# Allegro board 2522-db-vfbga86_vD.brd (continued)
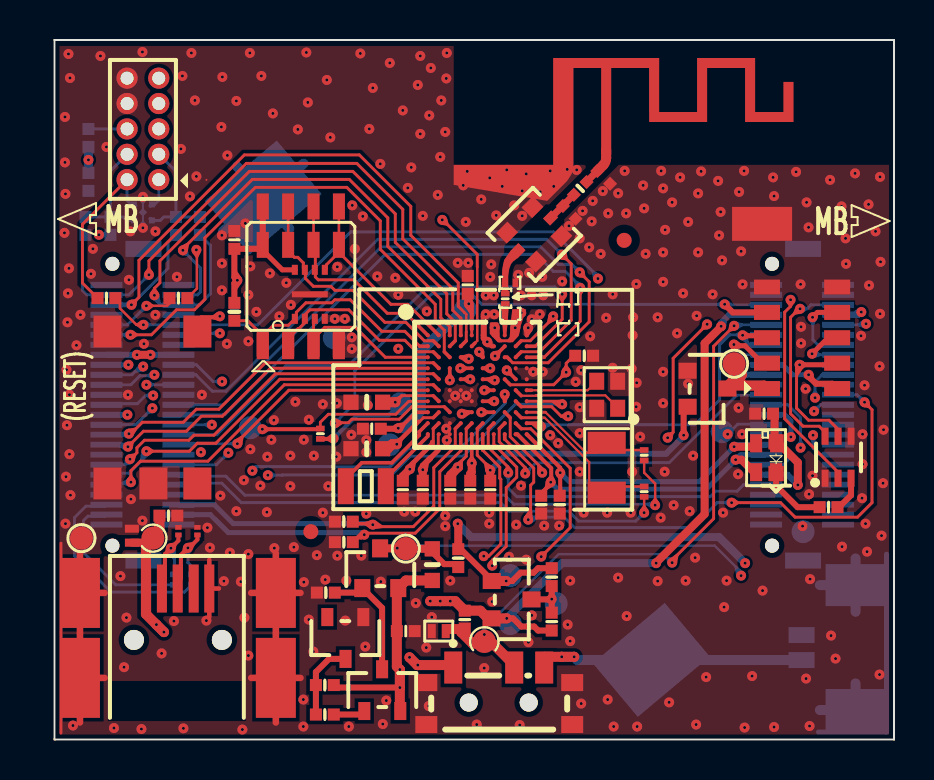
[diagram p0: board, top side]
## Routing (per net, layer and track width the routed paths; a pad name or vN(x,y) marks a point on that pad's centre or on a via; arc(x,y) is an arc through that point) (continued)
  BOTTOM w0.145: J2.25 36.67,16.75 37.33,16.1 v1(37.33,14.6)
  BOTTOM w0.5: v1(17.2,15.57) 17.45,15.57 18.32,16.45 18.32,19.4 v1(20.73,21.8)
V18: length 28.8
  TOP w0.14: 18.25,15.9 18.2,15.9
  TOP w0.145: 18.95,16.1 18.45,16.1 18.25,15.9
  TOP w0.18: U1.H2 18.95,16.1
  TOP w0.22: v1(17.12,14.78) 17.12,14.82 18.2,15.9
  TOP w0.5: C4.2 16.67,14.55 16.9,14.78 v1(17.12,14.78)
  L2_INT1 w0.3: v1(36.84,15.14) 34.08,12.38 29.65,12.38 29.12,11.85 18.7,11.85 17.12,13.43 v1(17.12,14.78)
  BOTTOM w0.25: J2.27 36.52,16.25 36.84,15.94 v1(36.84,15.14)
V18F: length 26.2
  TOP w0.14: R29.1 13.3,15.87 13.7,16.27 17.07,16.27 17.73,16.93 18.68,16.93
  TOP w0.145: U2Y.8 10.42,24.48 10.47,24.43
  TOP w0.2: R29.1 13.3,15.55 13.28,15.53 v1(10.4,15.53)
  TOP w0.25: 10.47,24.43 11.4,23.5 U2X.8
  TOP w0.3: 9,21.85 9,22.82 v1(9.15,22.98) 9,23.12 C1.2 10.22,24.55 U2Y.8 U2.8
  L3_INT2 w0.3: v1(10.4,15.53) 9.15,16.77 v1(9.15,22.98)
  BOTTOM w0.125: TP1.1 10.32,15.6 v1(10.4,15.53)
V18P: length 47
  TOP w0.125: 38.87,17.56 J5.2
  TOP w0.14: 18.95,17.2 17.38,17.2
  TOP w0.18: U1.G2 18.95,17.2 ; 17.38,17.2 v1(17.05,16.88)
  TOP w0.2: v1(13.96,15.06) 13.94,15.04 R29.2
  TOP w0.3: J5.2 38.91,17.8 38.1,17.8 37.73,18.18 v1(37.73,18.25)
  TOP w0.5: C5.2 v1(17.05,16.88)
  L2_INT1 w0.5: v1(17.05,16.88) 17.05,16.43 16.2,15.57 16.2,11.38 17.8,9.78 33.38,9.78 38.73,15.12 38.73,17.32 37.8,18.25 v1(37.73,18.25)
  BOTTOM w0.2: TP6.1 16.73,16.23 15.12,16.23 v1(13.96,15.06)
  BOTTOM w0.25: v1(37.73,18.25) 36.92,18.25 36.42,18.75 J2.17
V30: length 15.2
  TOP w0.145: 21.15,15.55 21.15,14.22 21.8,13.57 v1(21.8,13.47)
  TOP w0.18: U1.J6 21.15,15.55
  TOP w0.3: v1(31.48,15.22) 31.48,16.45 Q4.2
  TOP w0.4: C3.2 v1(21.8,13.47)
  BOTTOM w0.3: v1(21.8,13.47) 21.82,13.47 22.65,14.3 30.6,14.3 31.48,15.18 v1(31.48,15.22)
V30X: length 7
  TOP w0.3: 35.58,17.62 34.69,17.62 34.4,17.91 34.4,18.2 ; 34.4,18.2 33.91,17.71 ; 34.4,18.2 v1(34.4,18.25)
  TOP w0.5: J5.1 35.49,17.71 33.81,17.71 33.66,17.56 33.66,17.68 34,18.02 TP4.1
  BOTTOM w0.3: v1(34.4,18.25) J2.19
VBAT: length 31.3
  TOP w0.145: v1(30.9,8.85) 30.9,8.97 32.98,11.05 32.98,19.68 v1(34,20.7)
  TOP w0.15: 19.68,5.53 D6.1
  TOP w0.4: TP9.1 v1(21.5,5.25)
  TOP w0.5: R1.2 20.5,5.53 20.35,5.53 ; SW1.2 23,3.73 21.93,4.8 21.61,4.8 ; 21.61,4.8 TP9.1 ; 21.61,4.8 20.92,4.8 20.35,5.37 20.35,5.53 ; 20.35,5.53 19.68,5.53
  BOTTOM w0.12: v1(30.9,8.85) 30.48,9.28 25.22,9.28 21.5,5.56 v1(21.5,5.25)
  BOTTOM w0.145: v1(34,20.7) 34.05,20.75 J2.9
VBAT_IN: length 55.6
  TOP w0.4: v1(4.12,19.25) v1(4.8,19.25)
  TOP w0.5: v1(17.76,4.11) 18.15,3.73 v1(18.18,3.73) 19.82,3.73 SW1.1
  L2_INT1 w0.3: v1(4.12,19.25) v1(4.8,19.25)
  L2_INT1 w0.4: v1(17.76,4.11) 14.97,6.9 3.52,6.9 1.4,9.02 1.4,17.32 3.4,19.32 4.05,19.32 v1(4.12,19.25) ; v1(17.76,4.11) 17.79,4.11 v1(18.18,3.73) 18.15,3.73 v1(17.76,4.11)
  L3_INT2 w0.4: v1(17.76,4.11) 17.79,4.11 v1(18.18,3.73) ; v1(4.12,19.25) v1(4.8,19.25) 7.67,22.12 7.67,29.73 5.58,31.82 J4.7
  BOTTOM w0.3: J1.16 v1(4.8,19.25) v1(4.12,19.25) J1.15
  BOTTOM w0.4: v1(17.76,4.11) 17.79,4.11 v1(18.18,3.73)
VBATN: length 53.2
  TOP w0.14: U1.K2 19.2,15.25 19.2,14.47
  TOP w0.18: v1(20.88,13.82) U1.K5
  TOP w0.25: 18.8,14.07 19.2,14.47
  TOP w0.3: 18.8,14.07 18.43,13.7 v1(18.43,13.5) ; R16.2 24.2,5.45 24,5.65 23.35,5.65 22.94,6.06 v1(22.62,6.06)
  TOP w0.4: C8.2 20.8,13.3 20.88,13.38 v1(20.88,13.82) ; v1(18.43,13.5) C12.2 ; v1(30.1,8.82) 30.1,8.85 32.52,11.28 32.52,19.82 33.35,20.65 v1(33.35,20.68)
  TOP w0.5: v1(22.62,6.06) D5.2 21.69,6.06 21.3,6.45 R1.1 20.05,6.92 v1(19.8,6.92) v1(19.3,6.92) v1(18.8,6.92)
  L2_INT1 w0.46: v1(18.8,6.92) v1(19.3,6.92) v1(19.8,6.92)
  L3_INT2 w0.5: v1(18.43,13.5) 18.8,13.12 v1(18.8,6.92) v1(19.3,6.92) v1(19.8,6.92) 20.88,8 v1(20.88,13.82)
  BOTTOM w0.3: v1(33.35,20.68) 33.35,20.85 33.75,21.25 J2.7
  BOTTOM w0.4: v1(30.1,8.82) 25.39,8.82 v1(22.62,6.06)
  BOTTOM w0.5: v1(19.8,6.92) v1(19.3,6.92) v1(18.8,6.92)
VBUS: length 41
  TOP w0.3: R2.2 20.05,8.78 19.5,8.78 18.9,9.38 R9.1
  TOP w0.4: Q2.3 17.56,9.56 17.57,9.55 ; 17.57,9.55 17.58,9.55 17.59,9.54 R9.1 ; 17.57,9.55 TP3.1
  L2_INT1 w0.125: v1(34.35,8.2) 34.5,8.2 34.78,7.92 36.72,7.92 39.9,11.1 39.9,20.43 40.35,20.87 40.53,20.87 v1(40.6,20.8)
  BOTTOM w0.12: v1(17.15,9.57) 17.2,9.57 17.32,9.7 33.02,9.7 34.35,8.38 v1(34.35,8.2)
  BOTTOM w0.145: J2.10 40.55,20.75 v1(40.6,20.8)
VBUS_IN: length 34.8
  TOP w0.125: J3.1 4.58,7.51 4.58,7.5
  TOP w0.145: TP15.1 4.78,10.07 4.58,9.88
  TOP w0.3: R22.2 14.1,2.6 v1(17.28,2.6)
  TOP w0.4: 4.55,9.85 D2.1
  TOP w0.5: Q5.2 17.28,1.45 v1(17.28,2.6) v1(17.28,3.5) 17.13,3.65 C13.2 17.13,7.5 17.58,7.96 R9.2 ; TP15.1 4.92,10.25 5.25,10.57 5.25,11.2 C14.2 ; v1(5.47,5.38) v1(5.1,5.75) 4.58,6.28 4.58,9.88 4.55,9.85
  L2_INT1 w0.5: v1(17.28,2.6) v1(17.28,3.5) 7.35,3.5 v1(5.47,5.38) v1(5.1,5.75)
  L3_INT2 w0.4: v1(5.1,5.75) v1(5.47,5.38)
  BOTTOM w0.5: v1(5.47,5.38) v1(5.1,5.75) ; v1(17.28,2.6) v1(17.28,3.5)
VBUSN: length 47.3
  TOP w0.145: 20.35,13.93 20.35,13.55 20.07,13.28 20.07,13.53 ; 20.35,13.93 20.6,14.18 20.6,15.55 ; 20.35,13.93 20.25,13.82 20.25,13.78 20.18,13.7 v1(20.18,13.62)
  TOP w0.18: U1.J5 20.6,15.55
  TOP w0.3: D5.1 21.88,7.97 20.33,9.52 R2.1 ; v1(22.6,7.93) 22.9,7.93 23.32,8.35 23.97,8.35 24.2,8.57 R14.2
  TOP w0.4: v1(20.18,10.8) 20.2,10.78 R2.1 ; v1(20.18,13.62) 19.8,13.25 C2.2
  TOP w0.5: v1(22.6,7.93) D5.1
  L2_INT1 w0.4: v1(40.36,21.39) 40.29,21.39 39.48,20.57 39.48,11.3 36.57,8.4 34.98,8.4 v1(34.55,8.82)
  L3_INT2 w0.5: v1(20.18,13.62) v1(20.18,10.8)
  BOTTOM w0.3: J2.8 40.23,21.25 v1(40.36,21.39)
  BOTTOM w0.4: v1(20.18,10.8) 20.85,10.12 33.25,10.12 v1(34.55,8.82)
HDRVM: length 18.9
  TOP w0.145: 20.32,14.45 19.27,13.4 19.27,11.55 18.05,10.32 15.7,10.32 15.62,10.25 v1(15.5,10.25)
  TOP w0.18: 20.32,14.45 U1.K4 ; R27.1 15.15,10.1 15.35,10.1 v1(15.5,10.25)
  BOTTOM w0.25: v1(15.5,10.25) 15.45,10.25 15.35,10.35 8.7,10.35 7.8,11.25 J1.48
HDRVP: length 19.4
  TOP w0.145: 20.05,15.55 20.05,14.68 18.98,13.6 18.98,11.68 17.95,10.65 16.02,10.65 v1(15.93,10.75)
  TOP w0.18: U1.J4 20.05,15.55 ; v1(15.93,10.75) 15.9,10.75 15.85,10.8 15.02,10.8 R28.1
  BOTTOM w0.25: v1(15.93,10.75) 15.9,10.75 15.85,10.8 8.95,10.8 8,11.75 J1.46
J4_RESET: length 1.9
  BOTTOM w0.145: J4.6 1.7,30.55 R20.2
LED1: length 16.2
  TOP w0.2: R25.2 25.3,12.22 v1(25.3,13.35) 25.3,13.6 U1.K10
  TOP w0.4: D1.3 34.92,14.65 v1(34,14.65)
  BOTTOM w0.25: v1(25.3,13.35) 25.75,12.9 32.25,12.9 v1(34,14.65) 34.1,14.65 34.2,14.75 J2.33
LED2: length 17
  TOP w0.2: U1.K9 23.15,15.28 24.85,13.58 24.85,12.95 24.82,12.93 v1(24.82,12.88) 24.82,12.8 24.35,12.32 R26.2
  TOP w0.4: v1(34.08,14) 34.38,14 35,13.38 D1.2
  BOTTOM w0.25: v1(24.82,12.88) 25.18,12.53 32.6,12.53 v1(34.08,14) 34.33,14.25 J2.35
P0_0: length 18.2
  TOP w0.145: v1(3.73,15.3) 3.83,15.3 4.4,15.88 6.45,15.88 7.1,16.52 8.22,16.52 10.55,18.85 18.95,18.85
  TOP w0.18: U1.D2 18.95,18.85
  BOTTOM w0.145: v1(3.73,15.3) 3.67,15.25 J1.31
P0_1: length 19.1
  TOP w0.145: 18.95,17.75 11.5,17.75 7.67,13.93 4.3,13.93 3.83,13.45 v1(3.83,12.88)
  TOP w0.18: 18.95,17.75 U1.F2
  BOTTOM w0.145: J1.41 2.67,12.82 3.77,12.82 v1(3.83,12.88)
P0_2: length 13.7
  TOP w0.145: v1(9.15,14.8) 9.15,14.9 11.72,17.48 18.68,17.48
  BOTTOM w0.145: J1.34 6.25,14.8 v1(9.15,14.8)
P0_3: length 18.8
  TOP w0.145: v1(3.77,14.03) 3.8,14.03 4.12,14.35 4.12,14.6 4.5,14.97 6.72,14.97 6.97,15.22 7.97,15.22 11.05,18.3 18.95,18.3
  TOP w0.18: 18.95,18.3 U1.E2
  BOTTOM w0.145: J1.37 3.52,13.75 3.77,14 v1(3.77,14.03)
P0_4: length 18.2
  TOP w0.145: 18.68,18.02 11.27,18.02 8.07,14.82 7.15,14.82 6.75,14.43 v1(4.6,14.43)
  BOTTOM w0.145: J1.39 2.67,13.32 3.73,13.32 4.6,14.2 v1(4.6,14.43)
P0_5: length 17.7
  TOP w0.145: 18.68,18.57 10.8,18.57 8.4,16.18 7.35,16.18 6.6,15.43 4.45,15.43 v1(3.67,14.65)
  BOTTOM w0.145: J1.33 3.58,14.75 v1(3.67,14.65)
P0_6: length 26
  TOP w0.145: 24.05,19.68 25.4,21.03 v1(25.4,22.27)
  TOP w0.18: 24.05,19.68 U1.B10
  BOTTOM w0.145: J1.32 8.12,15.25 11.57,18.7 14.7,18.7 18.65,22.65 25.02,22.65 v1(25.4,22.27)
P0_7: length 26.7
  TOP w0.145: v1(24.95,21.18) 24.93,21.15 24.93,21.07 23.8,19.95 23.35,19.95
  TOP w0.18: U1.B9 23.35,19.95
  L2_INT1 w0.125: v1(8.28,20.32) 8.93,20.98 10.45,20.98 14.55,25.07 24.18,25.07 24.95,24.3 v1(24.95,21.18)
  BOTTOM w0.145: v1(8.28,20.32) 7.17,20.32 7.1,20.25 J1.12
P0_8: length 36.3
  TOP w0.125: v1(4.45,20.75) 4.1,20.75 3.27,21.57 3.27,21.8 3.05,22.03 R4.1
  TOP w0.18: U1.D6 v1(21.8,18.57)
  L2_INT1 w0.125: v1(27.19,23.06) 27.15,23.02 27.15,21.54 24.87,19.26 22.76,19.26 22.07,18.57 v1(21.8,18.57)
  BOTTOM w0.145: v1(27.19,23.06) 27.19,23.16 24.95,25.4 14.82,25.4 10.17,20.75 J1.10 v1(4.45,20.75)
P0_9: length 27.6
  TOP w0.12: 21.15,23.65 21.15,19.95 21.04,19.84
  TOP w0.125: v1(4.6,21.7) 5.62,21.7
  TOP w0.145: 5.62,21.7 5.75,21.84 R3.1 ; v1(19.4,26) 19.43,26 21.15,24.27 21.15,23.65
  TOP w0.18: 21.04,19.84 U1.B5
  L2_INT1 w0.125: v1(19.4,26) 19.13,25.73 12.55,25.73 8.53,21.7 v1(4.6,21.7)
  BOTTOM w0.145: J1.9 3.65,20.75 v1(4.6,21.7)
P0_10: length 28.4
  TOP w0.145: 19.77,20.65 19.32,21.1 19.32,22.03 16.68,24.68 16.68,26.1 14.75,28.02 9.9,28.02 6.42,24.55 v1(6.42,24.48)
  TOP w0.18: 19.77,20.65 U1.A3
  L3_INT2 w0.125: v1(6.42,24.48) 5.97,24.93 3.6,24.93 3.27,25.25 v1(2.23,25.25)
  BOTTOM w0.145: J1.4 7.16,22.25 7.3,22.39 7.3,23.6 v1(6.42,24.48)
  BOTTOM w0.25: R10.1 v1(2.23,25.25)
P0_11: length 30.8
  TOP w0.145: v1(5,22.23) 5,22.57 5.28,22.85 5.28,23.95 9.75,28.43 14.93,28.43 17.05,26.3 17.05,24.87 19.62,22.3 19.62,21.3 20.05,20.88 20.05,19.95
  TOP w0.18: 20.05,19.95 U1.B3
  BOTTOM w0.145: R11.2 7.8,24.73 7.8,22.3 7.25,21.75 J1.6 5.33,21.75 5,22.07 v1(5,22.23)
P0_12: length 30.5
  TOP w0.145: v1(4.72,23.25) 4.72,23.95 9.6,28.82 15.12,28.82 17.43,26.52 17.43,25.05 19.93,22.55 19.93,21.48 20.32,21.07
  TOP w0.18: 20.32,21.07 U1.A4
  BOTTOM w0.145: R12.1 1.4,25.1 1.4,22.47 1.62,22.25 J1.3 3.73,22.25 v1(4.72,23.25)
P0_13: length 33.2
  TOP w0.125: 20.6,20.4 20.6,21.27 20.51,21.36
  TOP w0.145: v1(3.85,21.75) 4.22,22.12 4.22,23.98 9.5,29.25 15.25,29.25 17.82,26.68 17.82,25.23 20.2,22.85 20.2,21.67 20.51,21.36 ; 20.6,20.4 20.6,19.95
  TOP w0.18: 20.6,19.95 U1.B4
  BOTTOM w0.145: v1(3.85,21.75) 5.67,23.57 5.67,24.85 R13.2
  BOTTOM w0.25: v1(3.85,21.75) J1.5
P0_14X: length 10.6
  BOTTOM w0.145: J1.45 2.52,11.68 1.58,11.68 1,11.1 1,9.2 2.83,7.38 6.5,7.38 6.87,7.74 R7.2
P0_15X: length 8.1
  BOTTOM w0.145: J1.47 2.52,11.18 1.67,11.18 1.45,10.96 1.45,9.35 3.06,7.74 R8.2
P0_16: length 30
  TOP w0.145: 23.35,19.4 24.27,19.4 25.85,20.98 25.85,23.8 v1(25.39,24.26)
  TOP w0.18: U1.C9 23.35,19.4
  BOTTOM w0.145: v1(25.39,24.26) 24.62,25.02 16.18,25.02 8.58,17.43 7.9,17.43 7.08,18.25 J1.20
P0_17: length 31.7
  TOP w0.145: v1(26.27,23.38) 26.75,22.9 26.75,20.9 24.7,18.85 22.92,18.85 22.77,19.01
  TOP w0.18: 22.77,19.01 22.65,19.12 U1.C8
  BOTTOM w0.145: J1.26 8.45,16.75 16.35,24.65 24.32,24.65 25.2,23.77 25.88,23.77 v1(26.27,23.38)
P0_18: length 28.6
  TOP w0.145: v1(25.4,16.77) 25.25,16.93 U1.G10
  L2_INT1 w0.145: v1(10.68,13.22) 10.68,13.28 10.03,13.93 6.95,13.93 4.45,16.43 4.45,17.6 v1(4.6,17.75)
  BOTTOM w0.145: v1(25.4,16.77) 23.05,16.77 20.45,14.18 17.8,14.18 16.86,13.24 11.41,13.24 11.4,13.22 v1(10.68,13.22) ; J1.22 v1(4.6,17.75)
P0_19: length 19.8
  TOP w0.18: U1.C6 21.43,19.15 21.25,19.32 v1(21.25,19.4)
  L2_INT1 w0.125: v1(4.44,18.66) 4.47,18.7 5.35,18.7 6.03,19.38 9.18,19.38 9.55,19 19.47,19 19.95,19.48 21.18,19.48 v1(21.25,19.4)
  BOTTOM w0.145: J1.19 3.88,18.25 4.29,18.66 v1(4.44,18.66)
P0_20: length 25.6
  TOP w0.18: U1.G8 v1(22.52,17.27)
  L2_INT1 w0.145: v1(9.9,13.45) 9.88,13.45 9.78,13.55 6.77,13.55 4.1,16.22 4.1,18.35 v1(3.7,18.75)
  BOTTOM w0.145: v1(9.9,13.45) 10.1,13.65 16.8,13.65 17.7,14.55 20.27,14.55 22.55,16.83 22.55,17.25 v1(22.52,17.27) ; J1.17 v1(3.7,18.75)
P0_21: length 19.4
  TOP w0.18: U1.C4 20.65,19.12 v1(20.73,19.05)
  L2_INT1 w0.125: v1(5,18.25) 5.42,18.25 6.2,19.02 9.03,19.02 9.34,18.71 19.76,18.71 20.1,19.05 v1(20.73,19.05)
  BOTTOM w0.145: J1.21 3.82,17.75 4.27,18.2 4.92,18.2 4.97,18.25 v1(5,18.25)
P0_22X: length 25.1
  TOP w0.12: v1(29.5,11.35) R5.1
  BOTTOM w0.145: v1(29.5,11.35) 29.07,10.93 26.22,10.93 25.72,11.43 22.75,11.43 22.32,11.85 9.35,11.85 8.38,12.82 6.28,12.82 J1.42
P0_23X: length 26.9
  TOP w0.12: v1(30.05,11.72) 30.05,12.8 29.5,13.35 R6.1
  BOTTOM w0.145: J1.40 6.28,13.18 8.57,13.18 9.52,12.22 22.52,12.22 22.98,11.78 30,11.78 v1(30.05,11.72)
P0_24: length 38.4
  TOP w0.145: v1(24.35,9.15) 25.8,10.6 25.8,13.57 23.82,15.55 23.35,15.55
  TOP w0.18: 23.35,15.55 U1.J9
  L2_INT1 w0.125: v1(3.65,16.25) 3.25,15.85 3.25,11.3 7.15,7.4 22.75,7.4 24.15,8.8 24.15,8.95 v1(24.35,9.15)
  BOTTOM w0.25: J1.27 v1(3.65,16.25)
P0_25: length 25.9
  TOP w0.145: v1(24.4,13.35) 24.4,13.55 22.8,15.15 22.8,16.1
  TOP w0.18: U1.H8 22.8,16.1
  L2_INT1 w0.125: v1(24.4,13.35) 21.92,15.82 19.93,15.82 18.42,17.33 10.33,17.33 8.7,15.7 v1(8.7,14.35)
  BOTTOM w0.145: J1.38 8.1,13.75 v1(8.7,14.35)
P0_26: length 16.8
  TOP w0.18: 21.98,16.38 v1(21.35,16.38)
  L2_INT1 w0.125: v1(21.35,16.38) 21.35,16.4 20.98,16.77 19.88,16.77 18.76,17.89 8.41,17.89 v1(8.39,17.91)
  BOTTOM w0.145: J1.18 7.1,18.75 7.94,17.91 v1(8.39,17.91)
P0_27: length 29.3
  TOP w0.145: 24.5,19.12 26.3,20.93 v1(26.3,22.6)
  TOP w0.18: U1.C10 24.5,19.12
  BOTTOM w0.145: J1.28 8.53,16.25 16.55,24.27 24.1,24.27 24.95,23.43 25.55,23.43 26.27,22.7 26.27,22.62 v1(26.3,22.6)
P0_28: length 16
  TOP w0.14: 20.45,16.38 v1(20.38,16.3)
  TOP w0.18: U1.H5 20.45,16.38
  L2_INT1 w0.125: v1(20.38,16.3) 19.9,16.3 18.59,17.61 10.11,17.61 8.25,15.75 v1(7.88,15.75)
  BOTTOM w0.145: v1(7.88,15.75) J1.30
P0_29: length 19.2
  TOP w0.18: U1.D5 v1(20.3,18.57)
  L2_INT1 w0.125: v1(20.3,18.57) 20.16,18.44 9.09,18.44 8.85,18.68 6.4,18.68 v1(4.94,17.21)
  BOTTOM w0.145: v1(4.94,17.21) 4.56,17.21 4.15,16.8 2.65,16.8 J1.25
P0_30: length 27.5
  TOP w0.145: 19.5,19.4 19.5,20.48 19.05,20.93 19.05,21.77 16.3,24.52 16.3,25.95 14.62,27.62 10.05,27.62 7.53,25.1 7.53,22.03 7,21.5 6.1,21.5 4.85,20.25 v1(3.8,20.25)
  TOP w0.18: U1.C3 19.5,19.4
  BOTTOM w0.145: v1(3.8,20.25) J1.11
P0_31: length 19
  TOP w0.18: U1.D3 v1(19.77,17.98)
  L2_INT1 w0.125: v1(19.77,17.98) 19.59,18.16 8.86,18.16 8.67,18.35 6.67,18.35 v1(4.9,16.57)
  BOTTOM w0.145: J1.29 4.08,15.75 v1(4.9,16.57)
P1_0: length 16.4
  TOP w0.18: v1(22.62,18.48) U1.E9
  TOP w0.25: v1(33.99,19.76) 34.01,19.76 34.08,19.7 34.55,19.7 35.42,18.83 J5.3
  L2_INT1 w0.125: v1(33.99,19.76) 33.92,19.7 25.82,19.7 25.11,18.99 23.14,18.99 v1(22.62,18.48)
  BOTTOM w0.12: v1(33.99,19.76) 34,19.75 34,19.73 34.48,19.25 J2.15
P1_1: length 25.5
  TOP w0.145: v1(37.27,18.75) 37.12,18.6 37.12,16.57 37.73,15.97 38.75,15.97 39.2,15.53 Q1.5 ; 22.8,17.75 24.98,17.75 v1(25.6,18.38) 25.6,18.82 25.98,19.2 R24.2
  TOP w0.18: U1.E8 22.8,17.75
  TOP w0.25: J5.4 39.08,18.75 v1(37.27,18.75)
  L2_INT1 w0.125: v1(25.6,18.38) 26.25,19.02 37,19.02 v1(37.27,18.75)
  BOTTOM w0.145: v1(37.27,18.75) J2.18
P1_2: length 17.1
  TOP w0.18: v1(24.34,15.66) 24.18,15.82 U1.J10
  TOP w0.25: J5.5 35.55,20.2 34.45,20.2 v1(34.42,20.23)
  BOTTOM w0.145: J2.13 34.77,19.75 34.42,20.1 v1(34.42,20.23) 34.4,20.25 33.77,20.25 33.27,19.75 33.27,17 32.02,15.75 24.43,15.75 v1(24.34,15.66)
P1_3: length 20.2
  TOP w0.14: 21.98,18.02 v1(22.02,17.98)
  TOP w0.18: U1.E6 21.98,18.02
  TOP w0.25: v1(37.9,19.3) 38.7,20.1 J5.6
  L2_INT1 w0.125: v1(37.9,19.3) 37.85,19.35 25.98,19.35 24.32,17.7 23.78,17.7 23.5,17.98 v1(22.02,17.98)
  BOTTOM w0.145: J2.16 37.95,19.25 v1(37.9,19.3)
P1_4: length 33.9
  TOP w0.14: v1(14.03,15.82) 14.05,15.85 14.7,15.85 14.88,16.02 17.25,16.02 17.88,16.65 19.5,16.65
  TOP w0.18: 19.5,16.65 U1.H3
  TOP w0.3: J5.7 33.93,21.37 v1(33.52,21.77)
  BOTTOM w0.145: v1(14.03,15.82) 15.03,16.82 15.03,18.45 18.88,22.3 20.85,22.3 21.37,21.77 v1(33.52,21.77) 33.55,21.75 J2.5
P1_5: length 28.4
  TOP w0.145: v1(32.65,20.77) 30.95,19.07 30.95,15.38 v1(30.68,15.1)
  TOP w0.18: U1.E4 v1(20.8,18.02)
  TOP w0.25: J5.8 38.17,21.37 v1(37.92,21.12)
  L2_INT1 w0.125: v1(30.68,15.1) 29.7,14.12 24.2,14.12 21.02,17.3 21.02,17.8 v1(20.8,18.02) ; v1(32.65,20.77) 33,21.12 v1(37.92,21.12)
  BOTTOM w0.145: v1(37.92,21.12) 37.94,21.11 37.94,20 38.19,19.75 J2.14
P1_6: length 16.8
  TOP w0.145: 22.25,15.55 22.25,14.9 23.55,13.6 v1(23.55,13.31)
  TOP w0.18: 22.25,15.55 U1.J8
  BOTTOM w0.145: J2.23 35.58,17.23 34.13,17.23 30.75,13.85 24.09,13.85 v1(23.55,13.31)
P1_7: length 19.5
  TOP w0.18: 21.98,17.48 v1(21.5,17.48)
  L2_INT1 w0.125: v1(38.05,17.1) 37.05,17.1 36.8,17.35 23.52,17.35 23.18,17.7 22.35,17.7 22.13,17.48 v1(21.5,17.48)
  BOTTOM w0.145: J2.20 38.4,18.25 38.05,17.9 v1(38.05,17.1)
P1_8: length 17.1
  TOP w0.145: v1(22.7,13.35) 22.7,13.4 22.68,13.43 22.68,13.65 21.7,14.63 21.7,15.55
  TOP w0.18: 21.98,15.82 21.7,15.55
  BOTTOM w0.145: J2.41 34.48,12.75 34.15,12.43 33.08,12.43 32.8,12.15 23.13,12.15 22.7,12.58 v1(22.7,13.35)
P1_9: length 16.7
  TOP w0.145: 23.35,16.65 24.87,16.65 25.35,16.18 v1(25.7,16.18)
  TOP w0.18: U1.G9 23.35,16.65
  L2_INT1 w0.125: v1(38,16.43) 37.67,16.1 25.82,16.1 25.75,16.18 v1(25.7,16.18)
  BOTTOM w0.145: v1(38,16.43) 38.33,16.75 J2.26
P1_10: length 30.2
  TOP w0.145: 22.52,15.03 23.98,13.57 23.98,12.87 23.82,12.72 23.82,11.14 23.73,11.05 23.73,11.03 v1(23.7,11) ; v1(40.52,16.88) 40.9,16.5 40.9,11.85 40.17,11.12 37.05,11.12 36.33,11.85 v1(33.88,11.85)
  TOP w0.18: 22.52,15.03 U1.K8
  BOTTOM w0.145: J2.24 40.15,17.25 v1(40.52,16.88) ; v1(23.7,11) 23.73,11 23.86,11.12 25.5,11.12 26.02,10.6 31.9,10.6 33.15,11.85 v1(33.88,11.85)
P1_11: length 19.3
  TOP w0.18: U1.G6 v1(22,16.93)
  L2_INT1 w0.125: v1(22,16.93) 22.14,16.79 24.43,16.79 25.48,15.75 37.42,15.75 v1(37.95,15.22)
  BOTTOM w0.145: J2.36 38.27,14.25 37.95,14.57 v1(37.95,15.22)
QSPIF_CLK: length 10.5
  TOP w0.12: U2X.6 13.05,23.48
  TOP w0.125: U2Y.6 U2.6
  TOP w0.145: 13.01,24.6 13.05,24.56 13.05,23.14 13.2,23 14.97,23 16.65,21.32 17.57,21.32 18.17,20.73 ; 13.01,24.6 13.01,24.7 ; 13.01,24.6 12.96,24.65 U2Y.6
  TOP w0.18: 18.17,20.73 18.68,20.23
QSPIF_CS: length 12.2
  TOP w0.145: 10.42,20.2 U2Y.1 ; 10.42,20.2 10.42,20.2 9.67,20.95 R15.1 ; 10.42,20.2 10.95,20.73 11.7,20.73 U2X.1 12.1,21.12 12.1,21.38 12.57,21.85 13.88,21.85 14.03,22 14.8,22 16.37,20.43 17.52,20.43 18.27,19.68
  TOP w0.18: 18.27,19.68 18.68,19.68
QSPIF_D0: length 10.2
  TOP w0.125: U2Y.5 U2.5
  TOP w0.145: U2X.5 13.6,23.57 13.6,23.75 14.18,24.32 14.28,24.32 ; 14.28,24.32 14.28,24.55 14.23,24.6 U2Y.5 ; 14.28,24.32 16.83,21.77 17.68,21.77 18.63,20.82
  TOP w0.18: U1.A2 18.63,20.82
QSPIF_D1: length 9.6
  TOP w0.145: 18.95,19.4 18.1,19.4 17.53,19.98 16.25,19.98 14.72,21.5 12.77,21.5 12.53,21.25 U2X.2 12.53,20.86 12.22,20.55 12.17,20.55 11.69,20.07 U2Y.2
  TOP w0.18: 18.95,19.4 U1.C2
QSPIF_D2: length 7.8
  TOP w0.145: U2X.3 12.96,20.98 12.96,20.06 ; U2Y.3 12.96,20.06 ; 12.96,20.06 13.53,20.62 15.05,20.62 16.55,19.12 18.68,19.12
QSPIF_D3: length 12.2
  TOP w0.12: 12.55,23.5 U2X.7
  TOP w0.125: U2Y.7 U2.7
  TOP w0.145: U2Y.7 11.69,24.43 12,24.12 12.17,24.12 12.45,23.85 12.45,23.6 12.55,23.5 12.55,23.07 12.95,22.68 13.82,22.68 14.03,22.48 14.93,22.48 16.52,20.88 17.58,20.88 18.5,19.95 18.95,19.95
  TOP w0.18: 18.95,19.95 U1.B2
RED: length 3.3
  TOP w0.3: D1.1 D9.1 36.1,12.7 37.18,11.62 R17.2
RF3: length 1.7
  TOP w0.34: Z1.1 25.59,26.86 25.58,26.86 25.43,26.72 25.43,26.69 25.42,26.69 J7.2
RSTN: length 52.2
  TOP w0.145: Q1.6 38.55,15.38 38.25,15.68 37.45,15.68 36.83,16.3 36.83,21.12 37.25,21.55 v1(37.3,21.55)
  TOP w0.18: U1.B8 v1(22.04,19.19)
  TOP w0.2: K2.1 7.15,20.93 7.35,21.12 8.15,21.12 8.2,21.18 v1(8.28,21.18)
  L2_INT1 w0.125: 26.75,23.5 24.88,25.38 13.48,25.38 9.43,21.32 8.4,21.32 8.28,21.2 v1(8.28,21.18) ; 26.75,23.5 26.75,21.62 24.66,19.54 22.39,19.54 v1(22.04,19.19) ; 26.75,23.5 32.45,23.5 34.4,21.55 v1(37.3,21.55)
  BOTTOM w0.145: J2.6 37.85,21.75 37.65,21.55 v1(37.3,21.55)
SWCLK: length 6.1
  BOTTOM w0.145: R13.1 6.08,28.42 J4.3 ; R13.1 R11.1 ; R13.1 5.47,26.15 5.3,25.98 D3.1
  BOTTOM w0.2: D3.1 4.8,26.05
SWDIO: length 6.1
  BOTTOM w0.145: J4.4 2.8,28.45 R10.2 ; R10.2 3.43,26.15 3.6,25.98 3.98,25.98 ; R10.2 R12.2
  BOTTOM w0.2: 3.98,25.98 4.05,26.05
URX: length 8.7
  TOP w0.145: R4.2 1.4,22.84 1.4,25.78 J4.2
  BOTTOM w0.145: J4.2 3.63,26.98 3.83,26.77 3.98,26.77
  BOTTOM w0.2: 3.98,26.77 4.05,26.7
USBM: length 28.7
  TOP w0.145: v1(21.9,8.7) 21.93,8.72 21.93,8.99 22.6,9.67 22.6,12.6 23.12,13.13 23.12,13.62 21.98,14.77 21.98,15.27 21.98,15.28
  TOP w0.2: D8.1 6.2,9.95 v1(5.83,9.57) 5.53,9.28 5.53,8.07 5.38,7.92 J3.2
  L2_INT1 w0.125: v1(21.9,8.7) 21.62,8.7 21.4,8.47 6.83,8.47 5.83,9.47 v1(5.83,9.57)
  BOTTOM w0.145: v1(5.83,9.57) 6,9.4 R8.1
USBP: length 27.5
  TOP w0.145: 21.43,14.47 22.27,13.62 22.27,13.07 22.33,13.02 22.33,9.78 21.73,9.18 v1(21.48,9.18)
  TOP w0.18: U1.K6 21.43,14.47
  TOP w0.2: J3.3 6.17,7.92 6.33,8.07 6.33,9.24 v1(6.67,9.59) 6.74,9.59 7.15,10 D7.1
  L2_INT1 w0.125: v1(6.67,9.59) 6.49,9.4 6.49,9.19 6.95,8.72 21.23,8.72 21.48,8.97 v1(21.48,9.18)
  BOTTOM w0.145: v1(6.67,9.59) 6.67,8.85 6.9,8.63 R7.1
UTX: length 8.5
  TOP w0.125: R3.2 7.12,22.56 7.12,24.35 7.1,24.38 v1(7.1,24.5)
  L3_INT2 w0.125: J4.1 7.1,26.13 v1(7.1,24.5)
  BOTTOM w0.145: D3.2 5.02,26.77 5.22,26.98 J4.1
  BOTTOM w0.2: D3.2 4.8,26.7
VLED: length 23.1
  TOP w0.3: v1(24.88,7.03) 24.86,7.01 D5.3 ; v1(24.88,7.03) R14.1 ; v1(24.88,7.03) R16.1
  TOP w0.4: C11.2 36.02,16.22 36.02,14.9 D1.4 36.22,14.82 37.19,13.86 v1(37.19,12.74)
  L2_INT1 w0.4: v1(37.19,12.74) 37.19,12.56 31.65,7.03 v1(24.88,7.03)
  BOTTOM w0.3: J2.39 36.67,13.25 v1(37.19,12.74)
N01591: length 5.7
  TOP w0.18: 18.68,15.82 18.25,15.4 18.25,15.22 16.88,13.85 15.38,13.85 14.57,13.05 L1.2
N17003199: length 3.5
  TOP w0.18: L1.1 16.57,12.7 16.75,12.88 16.75,13.25 18.68,15.18 18.68,15.28
N17049446: length 3.7
  TOP w0.11: 23.87,17.48 26.68,17.48 Y1.3
  TOP w0.18: U1.F10 23.87,17.48
N17049492: length 5.5
  TOP w0.11: 23.35,17.2 24.07,17.2 24.09,17.22 27.55,17.22 28.12,16.65 28.12,16.62 28.18,16.57
  TOP w0.18: 23.35,17.2 U1.F9
N17049864: length 8.8
  TOP w0.11: Y2.2 27.23,12.35 26.75,12.82 26.75,13.88 24.52,16.1 24.43,16.1
  TOP w0.12: Y2.2 27.93,12.66 R5.2
  TOP w0.145: 23.35,16.1 24.43,16.1
  TOP w0.18: U1.H9 23.35,16.1
N17100902: length 7.1
  TOP w0.11: 24.57,16.38 26.59,14.35 27.12,14.35 Y2.1
  TOP w0.12: R6.2 27.99,14.48 Y2.1
  TOP w0.145: U1.H10 24.57,16.38
N17115569: length 15.4
  TOP w0.5: SW1.3 24.5,4.14 v1(25.38,4.14) v1(26,4.14)
  L2_INT1 w0.46: v1(25.38,4.14) v1(26,4.14)
  L3_INT2 w0.4: v1(25.38,4.14) v1(26,4.14)
  BOTTOM w0.5: v1(25.38,4.14) v1(26,4.14) 26.16,3.98 29.86,3.98 29.86,3.98 J6.2
N17176123: length 1.8
  TOP w0.3: R17.1 39.25,11.62 39.85,12.22 Q1.3
N17178360: length 5.9
  TOP w0.3: R18.2 15.18,7.35 15.4,7.58 16.39,6.58 16.39,3.52
N17178368: length 3.9
  TOP w0.3: D4.3 13.74,4.04 13.08,3.38 R22.1 R23.2
N17180366: length 1.6
  TOP w0.3: Q5.1 15.32,1.25 R23.1
N17181323: length 55.6
  TOP w0.145: Q1.2 39.2,13.38 36.53,16.05 36.53,21.38 36.83,21.68 v1(36.83,22)
  L2_INT1 w0.125: v1(36.83,22) 36.75,21.93 34.52,21.93 32.6,23.85 26.88,23.85 25.02,25.7 21.75,25.7 13.6,33.85 3.13,33.85 1.7,32.42 v1(1.7,29)
  BOTTOM w0.46: 1.7,29.65 v1(1.7,29) 1.7,28.35
N17391632: length 2
  TOP w0.34: Z3.2 26.67,27.95 26.67,27.94 26.62,27.89
  TOP w0.5: ANT1.1 27.6,29.09 arc(27.56,28.9) 27.45,28.74 Z3.2

## Copper pours and planes (outline as drawn; the poured copper is in the pictures)
GND on TOP (solid shape): 23.32,20.7 23.27,20.4 23.23,20.2 22.93,19.88 22.7,19.88 22.52,19.93 22.38,19.88 22.18,19.88 21.77,20.3 21.77,20.82 21.82,20.88 22.18,20.88 22.25,20.77 22.28,20.13 22.41,19.98 22.66,19.98 22.77,20.15 22.82,20.85 22.88,21.27 22.9,21.52 23.6,21.52
GND on TOP (solid shape): 30.25,33.6 30.25,33.6 30.25,31.4 32.15,31.4 32.15,33.6 32.15,33.6 32.15,34.1 35.05,34.1 35.05,31.4 36.47,31.4 36.47,32.9 36.97,32.9 36.97,30.9 34.55,30.9 34.55,33.6 32.65,33.6 32.65,30.9 29.75,30.9 29.75,31.4 29.75,31.4 29.75,33.6 27.85,33.6 27.85,29.27 27.35,29.27 27.35,33.6 25.96,33.6 25.96,28.75 25.88,28.3 25.65,27.95 24.65,26.95 19.97,27.75 19.97,28.75 24.95,28.75 24.95,34.1 30.25,34.1
GND on TOP: 22.23,21.02 22.23,21.48 22.18,21.52 21.45,21.52 21.32,21.4 21.32,19.9 21.65,19.57 22.02,19.57 22.07,19.62 22.07,19.73 21.62,20.18 21.62,20.88 21.77,21.02
GND on TOP: 0.25,0.25 0.25,34.7 19.98,34.7 19.98,28.75 26.73,28.75 24.75,26.77 24.57,26.77 22.5,24.7 22.5,23.77 23.43,23.77 25.5,25.85 25.5,26.02 28.23,28.75 41.75,28.75 41.75,0.25 ; 9 cut-outs
GND on TOP: 23.4,20.1 23.44,20.53 23.83,21.52 24.6,21.52 24.6,21.27 23.68,20.23 23.55,20.07
GND on BOTTOM: 0.25,0.25 0.25,34.7 19.98,34.7 19.98,28.75 41.75,28.75 41.75,0.25 ; 2 cut-outs
GND on L2_INT1: 0.25,0.25 0.25,34.7 19.98,34.7 19.98,28.75 41.75,28.75 41.75,0.25 ; 10 cut-outs
GND on L3_INT2: 0.25,0.25 0.25,34.7 19.98,34.7 19.98,28.75 41.75,28.75 41.75,0.25
RF2 on TOP (solid shape): 23.55,24.48 23.15,24.07 22.95,23.92 22.83,23.78 22.75,23.55 22.7,23.2 22.7,22.2 22.38,22.2 22.38,22.9 22.4,23.52 22.45,23.8 22.5,24 22.68,24.25 22.8,24.43 23.2,24.82

Small or netless copper shapes (teardrops, artwork), in the pictures only: 98 on TOP, 90 on BOTTOM, 61 on L2_INT1, 5 on L3_INT2

## Text on the board
Board Geometry/Soldermask Top: 331-19-D
Ref Des/Silkscreen Top: (RESET) | MB
XSECTION_CHART: *  SURFACE - AIR 0 MM | L1: TOP PLANE - COPPER 0.036 MM | *  DIELECTRIC - FR-4 0.19 MM | L2: L2_INT1 CONDUCTOR - COPPER 0.036 MM | *  DIELECTRIC - FR-4 0.71 MM | L3: L3_INT2 PLANE - COPPER 0.036 MM | L4: BOTTOM CONDUCTOR - COPPER 0.036 MM | DESIGN CROSS SECTION CHART | ___________________________ | TOTAL THICKNESS 1.234 MM | 1-4
BODY_CENTER: PLACE RESERVED FOR | SELF-ADHESIVE LABEL
COMPVAL_TYPE_TOP: AREA RESERVED FOR PCB | INFO (UL94 mark, etc) | (BOTTOM SILKSCREEN)
User.11: FIGURE | SIZE | 0.15 | 0.65 | 0.7 | 0.9 | 1.0 | DRILL CHART: TOP to BOTTOM | ALL UNITS ARE IN MILLIMETERS | PLATED | NON-PLATED | QTY | 499 | 10 | 4 | 2
